# Altium PCB fmuvxX-baseT1.PcbDoc (part 3 of 5) (continued)
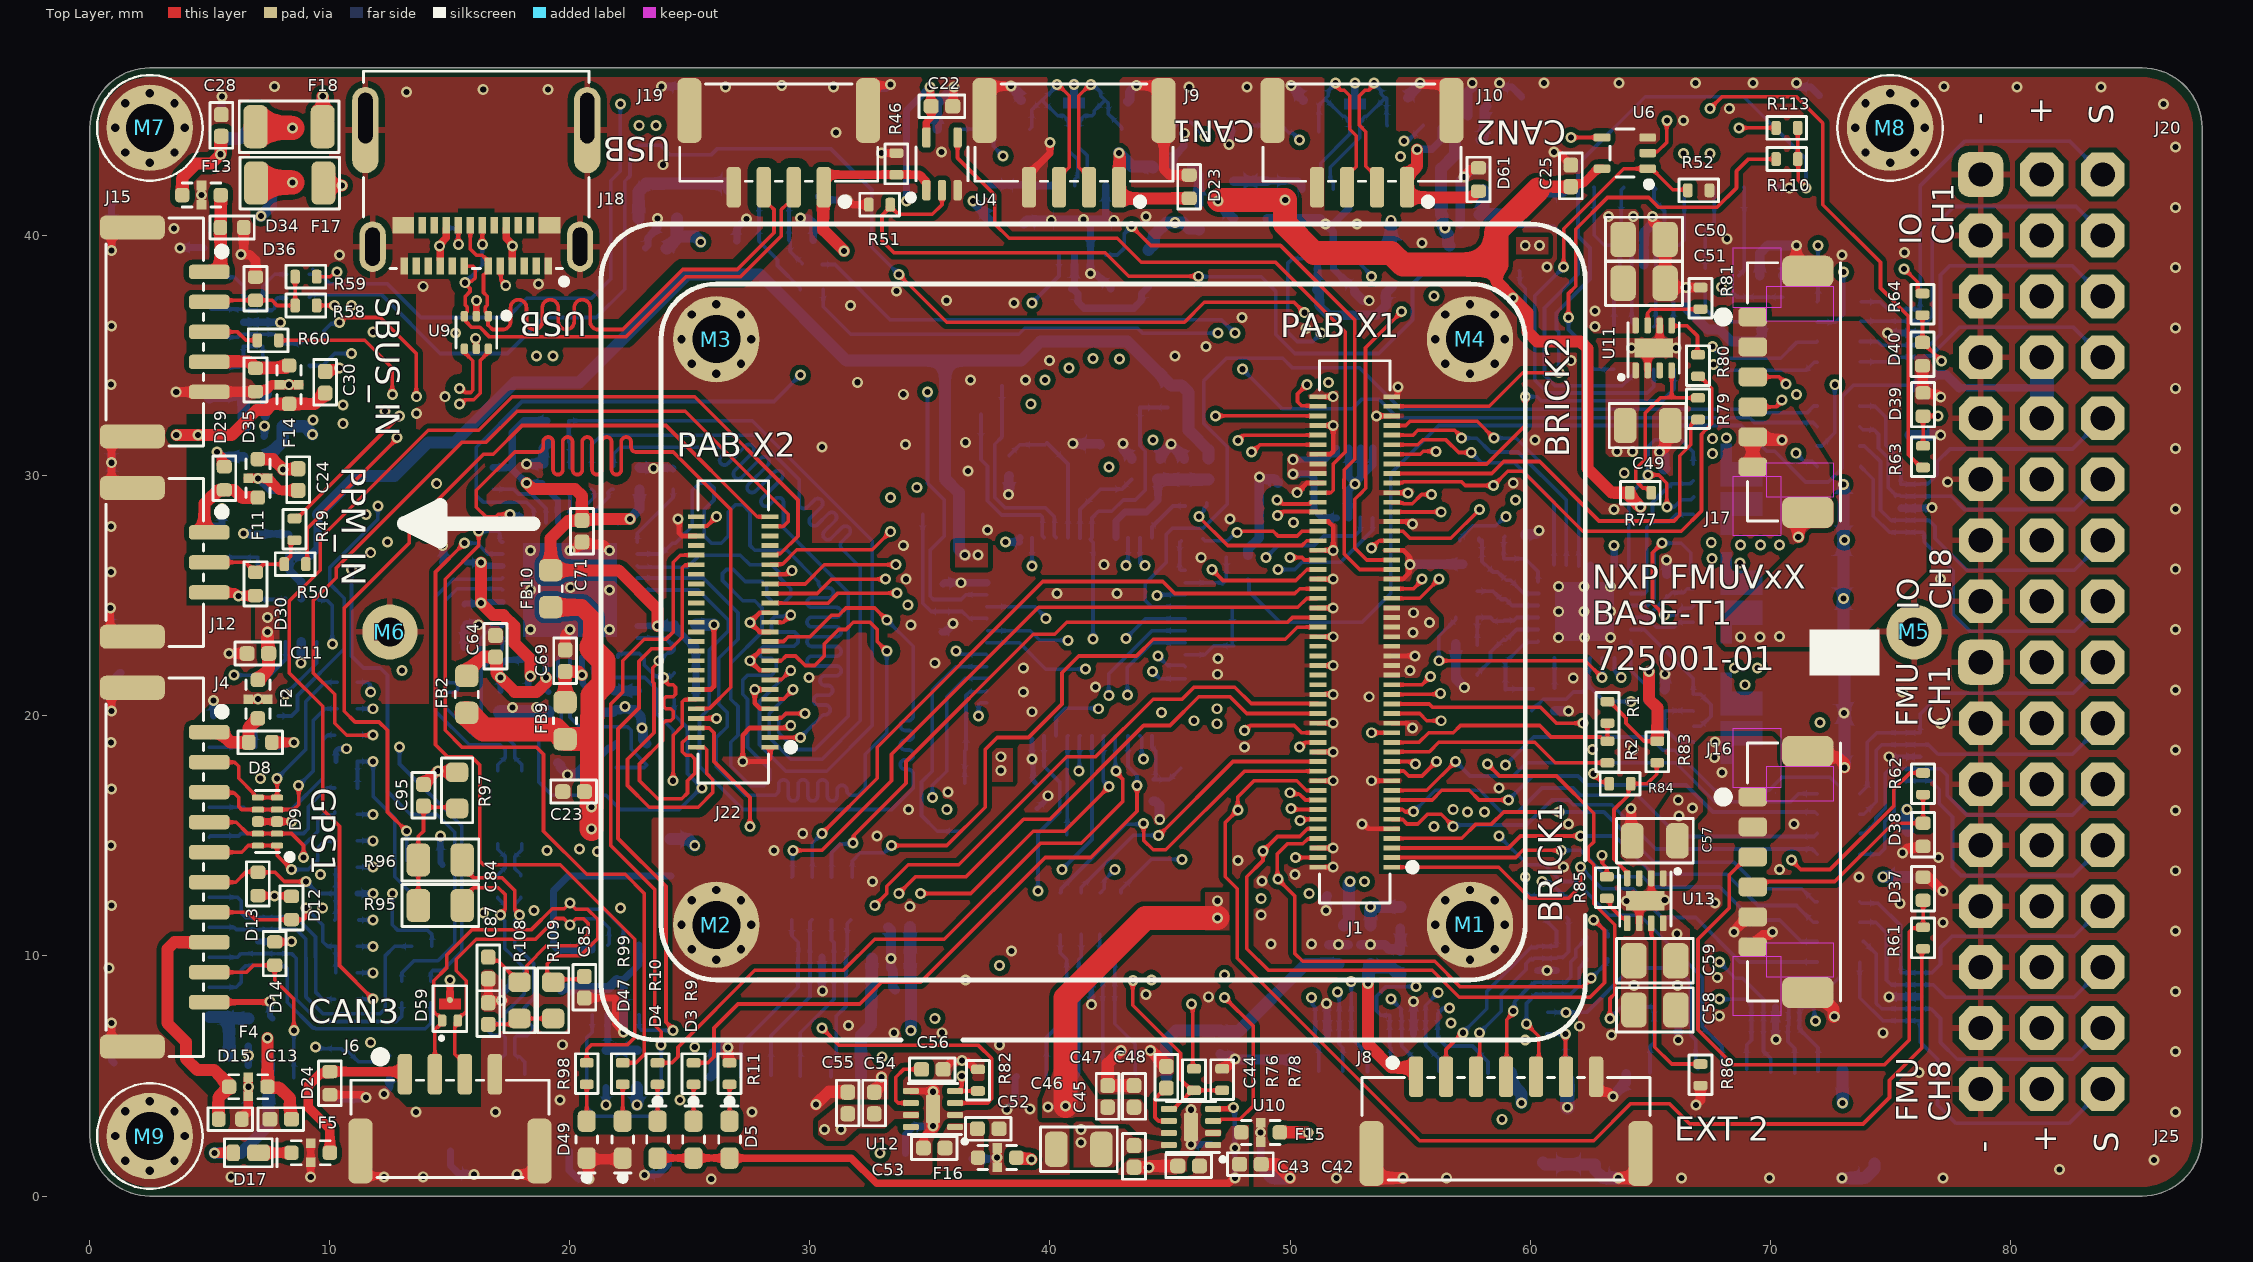
[diagram p0: Top Layer view]
## Nets (pads, with @x,y where several pads share a name; then routed paths per layer and width w, separated by ;. In a path a pad name is that pad's centre, name@x,y a point inside that pad or via, vN(x,y) a via of type N, cw(c..) or ccw(c..) an arc to the next point about the centre after c; other vN are vias at no path point) (continued)
  Bottom Layer w0.152: R21.1@11.2,11.5 v1(11.8,11.5)
FMU_SWCLK: D53.1 D53.10 J1.77 J23.5 | length 39.1
  Top Layer w0.152: J1.77@54.24,28.9 54.264,28.876 54.685,28.876 54.721,28.841 55.098,28.841 55.482,29.225 v1(55.9,29.225)
  Signal Layer 3 w0.152: v1(58.1,16) 58.1,14.3 60,12.4 61.9,12.4 63,13.5 67.3,13.5 69,11.8 69,9.3 v1(67.9,8.2)
  Signal Layer 4 w0.152: v1(55.9,29.225) 56.375,29.225 56.9,28.7 56.9,28.2 57.4,27.7 57.4,22.3 57.77,21.93 57.77,17.541 58.1,17.211 v1(58.1,16)
  Bottom Layer w0.152: v1(67.9,8.2) 69.025,8.2 69.225,8 D53.10@69.225,7.075 69.225,6.5 69.025,6.3 J23.5@69.025,5.275
FMU_SWDIO: D53.2 D53.9 J1.75 J23.4 | length 36.4
  Top Layer w0.152: J1.75@54.24,28.5 v1(56.3,28.5)
  Signal Layer 3 w0.152: v1(57.4,16) 57.4,14.4 59.899,11.901 62.201,11.901 63.2,12.9 66.2,12.9 67.9,11.2 v1(67.9,9.75)
  Signal Layer 4 w0.152: v1(56.3,28.5) 56.3,28.1 56.806,27.594 56.806,19.194 57.4,18.6 v1(57.4,16)
  Bottom Layer w0.152: v1(67.9,9.75) 67.9,9.725 68.55,9.075 68.85,9.075 69.725,8.2 D53.2@69.725,7.875 D53.9@69.725,7.05 ; D53.9@69.725,7.075 69.725,6.025 70.025,5.725 J23.4@70.025,5.15
FMU_VDD_3V3: C13.1 C22.1 C25.1 C80.1 F4.1 FB3.1 FB5.1 FB7.1 J1.84 J1.86 J23.1 R1.1 R43.1 R47.1 R77.1 R83.1 U4.5 U6.5 U16.1 U16.8 | length 210.1
  Top Layer w0.152: R1.1@63.225,20.6 63.315,20.6 64,19.915 64,19.7 64.75,18.95 R83.1@65.3,18.95
  Top Layer w0.3: U4.5@34.85,44.125 34.85,44.75 35.05,44.95 C22.1@35.05,45.4 ; v1(35,46.2) 35.025,46.175 C22.1@35.025,45.425
  Top Layer w0.35: C25.1@61.766,42.001 61.83,42.065 61.83,42.19 62.215,42.19 62.825,42.8 U6.5@63,42.8
  Top Layer w0.5: v1(7.4,6.575) F4.1@7.4,4.55 7.45,4.5 7.901,4.5 8.335,4.066 8.335,3.255 C13.1@8.415,3.175 ; 58.6,38.8 58.6,38.102 v1(59.284,37.418) 59.9,36.802 59.9,36 60.3,35.6 62.1,35.6 62.4,35.3 62.4,30.3 63.4,29.3 R77.1@64.15,29.3 64.15,29.15 v1(64.6,28.7) ; 60.325,41.925 60.45,42.05 C25.1@61.7,42.05 ; v1(64.95,21.85) 64.95,20.7 65.3,20.35 R83.1@65.3,19
  Top Layer w1: v1@47.045,41.495 v1(49.8,41.495) 49.8,40.5 51.007,39.293 54.207,39.293 54.7,38.8 58.6,38.8 58.6,40.2 60.325,41.925
  Signal Layer 3 w0.6: v1(10.686,18.634) v1@10.71,18.61 ; v1@10.7,18.6 10.7,18.1 11.5,17.3 12.3,17.3 13.9,15.7 13.9,15.656 13.905,15.651 13.905,15.149 13.9,15.144 13.9,14.6 15.6,12.9 22.4,12.9 24.1,14.6 v1(25.2,14.6)
  Signal Layer 4 w0.4: 4.2,18.2 4.205,18.195
  Signal Layer 4 w0.5: v1(64.6,28.7) 64.6,22.2 v1(64.95,21.85) 64.95,18.25 63.45,16.75 63.45,15.55 63.9,15.1 63.9,13.6 64.961,12.539 64.961,6.739 67.825,3.875 v1(73.025,3.875)
  Signal Layer 4 w0.6: 4.205,18.195 10.247,18.195 v1(10.686,18.634)
  Signal Layer 4 w1: v1(7.4,6.575) 7.4,6.6 4.2,9.8 4.2,18.2 4.2,28.6 6.201,30.601 6.201,36.308 11.594,41.7 25.858,41.7 26.858,42.7 32.135,42.7 33.385,41.45 v1(34.027,41.45) v1(36.8,41.45) 37.45,42.1 46.35,42.1 48.958,39.492 48.958,31.817 v1@50.1,30.675
  Bottom Layer w0.2: R43.1@10.25,18.1 10.25,18.55 10.334,18.634 v1(10.686,18.634) ; R47.1@58.65,38.55 58.65,38.052 v1(59.284,37.418)
  Bottom Layer w0.25: v1(50.125,30.675) 51.47,30.675 51.695,30.9 51.935,30.9 51.95,30.915 U16.1@51.95,31.155
  Bottom Layer w0.3: v1(34.027,41.45) 34.027,45.227 v1(35,46.2) ; v1(50.125,30.075) 50.824,30.075 51,29.899 51,28.6 51.35,28.25 U16.8@51.935,28.25
  Bottom Layer w0.4: v1(36.8,41.45) 37.232,41.018 37.232,40.893 FB3.1@37.475,40.65 ; v1(47,41.45) 47.011,41.439 47.011,41.369 47.365,41.015 47.365,41.01 47.645,40.73 FB7.1@47.65,40.73
  Bottom Layer w0.5: FB5.1@24.2,14.87 24.93,14.87 v1(25.2,14.6) ; v1(73.025,3.875) J23.1@73.025,5.225
GND: C1.2 C2.2 C3.2 C4.2 C5.2 C6.2 C7.2 C8.2 C9.2 C10.2 C11.2 C12.2 C13.2 C14.2 C15.2 C16.2 C17.2 C18.2 C19.2 C20.2 C21.2 C22.2 C23.2 C24.2 C25.2 C26.2 C27.2 C28.2 C29.2 C30.2 C31.2 C32.2 C33.2 C34.2 C35.2 C36.2 C37.2 C38.2 C39.2 C40.2 C41.2 C42.2 C43.2 C44.2 C45.2 C46.2 C47.2 C48.2 C49.2 C50.2 C51.2 C52.2 C53.2 C54.2 C55.2 C56.2 C57.2 C58.2 C59.2 C60.2 C61.2 C62.2 C63.2 C64.2 C65.2 C66.2 C67.2 C68.2 C69.2 C70.2 C71.2 C72.2 C73.2 C74.2 C75.2 C76.2 C77.2 C78.2 C79.2 C80.2 C81.2 C82.2 C83.2 C84.2 C85.2 C86.2 C87.2 C88.2 C89.2 C90.2 C91.2 C92.2 C95.2 D1.3 D1.8 D2.3 D2.8 D6.1 D7.3 D7.8 D8.1 D9.3 D9.8 D10.1 D11.3 D11.8 D12.1 D13.1 D14.1 D15.1 D18.1 D19.3 D19.8 D20.1 D21.3 D21.8 D22.1 D23.1 D24.1 D25.1 D26.3 D26.8 D27.3 D27.8 D28.1 D29.1 D30.1 D31.1 D32.1 D33.3 D33.8 D34.1 D35.1 D36.1 D37.1 D38.1 D39.1 D40.1 D43.3 D43.8 D44.3 D44.8 D45.3 D45.8 D46.3 D46.8 D47.C D48.3 D49.C D53.3 D53.8 D54.3 D54.8 D55.1 D56.1 D57.1 D58.3 D59.3 D61.1 D62.3 F1.2A F1.2B F2.2A F2.2B F3.2A F3.2B F4.2A F4.2B F5.2A F5.2B F6.2A F6.2B F7.2A F7.2B F8.2A F8.2B F9.2A F9.2B F10.2A F10.2B F11.2A F11.2B F12.2A F12.2B F13.2A F13.2B F14.2A F14.2B F15.2A F15.2B F16.2A F16.2B F21.2A F21.2B J1.2 J1.6 J1.9 J1.19 J1.20 J1.26 J1.31 J1.32 J1.38 J1.41 J1.43 J1.44 J1.45 J1.47 J1.50 J1.56 J1.61 J1.62 J1.67 J1.68 J1.73 J1.74 J1.79 J1.82 J1.88 J1.94 J1.95 J1.99 J1.100 J2.10 J2.M1 J2.M2 J3.6 J3.M1 J3.M2 J4.10 J4.M1 J4.M2 J5.6 J5.M1 J5.M2 J6.4 J6.M1 J6.M2 J7.6 J7.M1 J7.M2 J8.7 J8.M1 J8.M2 J9.4 J9.M1 J9.M2 J10.4 J10.M1 J10.M2 J11.11 J11.M1 J11.M2 J12.3 J12.M1 J12.M2 J13.3 J13.M1 J13.M2 J14.8 J14.M1 J14.M2 J15.5 J15.M1 J15.M2 J16.5 J16.6 J16.M1 J16.M2 J17.5 J17.6 J17.M1 J17.M2 J18.A1 J18.A12 J18.B1 J18.B12 J18.M1 J18.M2 J18.M3 J18.M4 J19.4 J19.M1 J19.M2 J20.1A J20.2A J20.3A J20.4A J20.5A J20.6A J20.7A J20.8A J21.M1 J21.M2 J22.1 J22.5 J22.8 J22.9 J22.13 J22.14 J22.17 J22.21 J22.25 J22.29 J22.37 J22.46 J23.10 J23.M1 J23.M2 J24.4 J24.M1 J24.M2 J25.1A J25.2A J25.3A J25.4A J25.5A J25.6A J25.7A J25.8A M1.1 M2.1 M3.1 M4.1 M5.1 M6.1 M7.1 M8.1 M9.1 Q1.2 Q2.S R7.2 R8.2 R11.2 R13.2 R14.2 R25.2 R26.2 R37.2 R46.2 R51.2 R52.2 R57.2 R68.2 R72.2 R73.2 R74.2 R75.2 R78.2 R81.2 R82.1 R86.2 R94.2 R97.2 R100.2 U1.8 U1.23 U1.35 U1.47 U2.2 U2.8 U2.9 U3.2 U3.8 U3.9 U4.3 U6.3 U7.2 U8.10 U8.25 U9.2 U10.2 U10.P1 U11.2 U11.6 U11.P1 U12.2 U12.5 U12.P1 U13.2 U13.6 U13.P1 U14.37 U15.2 U15.8 U15.9 U16.2 U16.3 U16.4 U16.7 U16.9 X1.2 X1.4 X2.2 X2.4 | length 350.8
  Top Layer w0.152: D24.1@10,4.215 D24.1@10.115,4.1 ; M2.1@24.507,11.1 24.7,11.293 M2.1@24.7,11.3
  Top Layer w0.2: v1(24.5,28.2) 24.549,28.151 24.549,27.617 24.666,27.5 J22.46@25.26,27.5 ; J22.8@25.26,19.9 v1(26.1,19.9) ; J22.14@25.5,21.1 25.871,21.1 26,21.229 v1(26,23.8) ; J22.9@28.3,20.3 27.936,20.3 27.7,20.536 v1(27.7,21.1) J22.13@28.3,21.1 ; J22.17@28.3,21.9 27.9,21.9 v1(27.5,22.3) 27.9,22.7 J22.21@28.3,22.7 ; J22.29@28.3,24.3 27.9,24.3 v1(27.5,23.9) 27.9,23.5 J22.25@28.34,23.5 ; J22.1@28.34,18.7 28.34,18.24 28.2,18.1 v1(27.2,18.1) 27.2,19.2 27.5,19.5 J22.5@28.34,19.5 29.03,19.5 29.13,19.6 v1(29.2,19.6) ; J22.37@28.34,25.9 29.03,25.9 29.18,26.05 v1(29.25,26.05) ; v1(50.3,29.3) 50.7,29.7 J1.82@51.16,29.7 ; J1.2@51.16,13.7 v1(51.8,13.7) ; J1.6@51.16,14.5 v1(51.8,14.5) ; J1.20@51.16,17.3 v1(51.8,17.3) ; J1.26@51.16,18.5 v1(51.8,18.5) ; J1.32@51.16,19.7 v1(51.8,19.7) ; J1.38@51.16,20.9 v1(51.8,20.9) ; J1.44@51.16,22.1 v1(51.8,22.1) ; J1.50@51.16,23.3 v1(51.8,23.3) ; J1.56@51.16,24.5 v1(51.8,24.5) ; J1.62@51.16,25.7 v1(51.8,25.7) ; J1.68@51.16,26.9 v1(51.8,26.9) 51.8,27.9 51.6,28.1 ; J1.94@51.16,32.1 v1(51.8,32.1) 51.8,31.017 51.683,30.9 J1.88@51.2,30.9 ; J1.100@51.16,33.3 v1(51.8,33.3) ; v1(53,15.5) 53.07,15.5 53.27,15.3 J1.9@54.24,15.3 ; v1(53.4,17.3) J1.19@54.24,17.3 ; v1(53.6,32.5) J1.95@54.2,32.5 ; J1.61@54.2,25.7 54.7,25.7 54.961,25.961 54.961,26.261 v1(55,26.3) 54.988,26.312 54.988,26.635 54.723,26.9 J1.67@54.24,26.9 ; J1.31@54.24,19.7 54.864,19.7 55.064,19.5 v1(55.1,19.5) ; J1.45@54.24,22.5 v1(55.2,22.5) ; J1.73@54.24,28.1 54.93,28.1 55.03,28 v1(55.1,28) ; J1.79@54.24,29.3 54.49,29.3 v1@54.9,29.3 ; J1.99@54.24,33.3 54.49,33.3 54.49,33.69 v1(54.5,33.7)
  Top Layer w0.205: J1.74@51.16,28.1 51.6,28.1
  Top Layer w0.25: J4.10@4.97,8.075 7.475,8.075 v1(7.5,8.1) ; D13.1@7,12.515 7.685,12.515 v1(7.7,12.5) D12.1@8.4,12.5 ; D9.8@7,15.6 D9.3@7.8,15.6 v1(8.4,15.6) ; D14.1@7.7,10.585 8.385,10.585 v1(8.4,10.6) ; U9.2@16.1,36.65 16.125,36.675 16.1,36.7 v1(16.1,37.3) ; U13.6@64.55,11.29 U13.6@64.55,11.375 ; U13.2@65.05,13.16 65.05,12.375 U13.P1@65.2,12.225
  Top Layer w0.3: v1(0.85,24.5) 0.85,23.45 J12.M2@1.1,23.2 ; v1(0.9,7.2) 0.9,6.5 J4.M2@1.1,6.3 ; v1(0.9,20.2) 0.9,20.833 1.167,21.1 J4.M1@1.2,21.1 ; J12.M1@0.9,29.5 v1(0.9,30.55) 0.9,31.6 J15.M2@1,31.7 ; v1(0.9,39.4) 0.9,40.3 J15.M1@1,40.4 ; v1(9.2,0.8) F5.2B@9.2,1.4 F5.2A@9.2,2.2 ; D24.1@10,4.215 11.385,4.215 v1(11.5,4.1) ; J6.M1@11.15,1.75 11.15,1.297 11.617,0.83 12.22,0.83 v1(12.25,0.8) ; D59.3@15,8.17 v1(15,9) ; C84.2@16.6,9.04 C87.2@16.6,8.05 16.7,8.15 v1@17.3,8.15 ; J6.M2@18.65,1.317 18.684,1.284 J6.M2@18.743,1.225 ; C85.2@20.6,8.25 21.899,8.25 21.899,7.169 v1(22.231,6.837) ; v1(31.55,41.5) 31.593,41.5 31.793,41.3 R51.2@32.4,41.3 ; J19.M1@32.4,46.25 32.425,46.275 33.325,46.275 v1(33.35,46.3) ; v1(32.975,43.45) R46.2@33.6,43.45 ; U12.5@34.205,4.375 35.056,4.375 35.086,4.345 v1(35.129,4.345) ; C53.2@34.75,2 34.75,2.498 35.129,2.877 v1(35.129,2.92) ; C56.2@35.55,5.275 35.56,5.275 35.899,5.615 36.265,5.615 v1@36.3,5.65 ; C22.2@35.95,45.4 35.975,45.425 35.975,46.175 v1(36,46.2) ; v1(36.329,5.645) 36.359,5.615 36.57,5.615 36.885,5.3 R82.1@37,5.3 ; J9.4@39.1,42.55 39.997,43.447 v1(39.997,43.895) ; v1(61,43.5) 61.03,43.47 61.19,43.47 61.7,42.96 C25.2@61.7,42.95 ; U13.6@64.55,11.375 64.55,12.05 U13.P1@64.8,12.3 ; U11.P1@64.75,35.35 64.9,35.2 U11.2@64.9,34.4 ; U11.6@65.4,36.27 65.4,35.475 U11.P1@65.55,35.325
  Top Layer w0.4: v1(3.598,33.501) J15.5@4.97,33.5 ; J12.3@4.97,25.15 5.006,25.114 6.07,25.114 6.185,25 v1(6.2,25) D30.1@6.885,25 ; J15.5@5,33.5 J15.5@4.97,33.5 ; v1(5.3,31) 5.3,30.985 5.485,30.8 5.485,30.465 5.55,30.4 D29.1@5.6,30.4 ; v1(5.8,22.6) C11.2@6.55,22.6 C11.2@6.6,22.6 ; D15.1@6.3,3.1 6.3,3.235 6.6,3.535 F4.2A@6.6,4.1 ; D34.1@6.4,40.4 6.41,40.39 D34.1@6.41,40.35 6.41,39.35 6.3,39.24 v1(6.3,39.225) 6.311,39.214 6.666,39.214 6.9,38.98 D36.1@6.9,38.3 ; F4.2B@6.6,4.9 6.6,4.553 v1(6.603,4.55) ; F2.2B@6.6,20.7 v1(7,20.7) F2.2A@7.4,20.7 ; F11.2B@6.6,29.9 v1@7,29.9 ; v1@6.601,4.549 6.601,4.101 F4.2A@6.6,4.1 ; D35.1@6.9,33.5 6.892,33.507 4.977,33.507 J15.5@4.97,33.5 ; D35.1@6.9,33.515 6.98,33.595 7.371,33.595 7.576,33.8 F14.2A@7.9,33.8 v1(8.3,33.8) F14.2B@8.7,33.8 ; v1(7.003,29.9) F11.2A@7.4,29.9 7.9,29.4 C24.2@8.7,29.4 ; D8.1@7.585,18.9 v1(8.5,18.9) ; C30.2@9.84,34.4 9.905,34.465 10.35,34.465 10.385,34.5 v1(10.4,34.5) ; C95.2@13.9,17.16 14.005,17.265 14.015,17.265 14.439,17.689 14.489,17.689 v1(14.5,17.7) 14.511,17.689 15.266,17.689 R97.2@15.3,17.655 ; v1(17.8,0.9) 17.811,0.911 18.429,0.911 18.743,1.225 18.8,1.282 J6.M2@18.8,1.4 ; C69.2@19.8,22.8 19.8,23.385 20,23.585 v1(20,23.6) ; v1(20,26.9) 20.011,26.911 20.161,26.911 20.385,27.135 20.395,27.135 C71.2@20.5,27.24 ; C71.2@20.5,27.25 C71.2@20.5,27.24 ; D49.C@20.7,1.53 D49.C@20.77,1.53 ; D49.C@20.7,1.6 D49.C@20.77,1.53 ; v1(20.8,0.7) 20.789,0.711 20.789,1.511 D49.C@20.77,1.53 ; v1(21.65,25.25) 21.658,25.258 21.658,25.269 v1@21.65,25.276 ; v1(21.65,26.9) 21.635,26.9 21.4,27.135 20.605,27.135 C71.2@20.5,27.24 ; D47.C@22.2,1.53 D47.C@22.215,1.515 ; D47.C@22.23,1.53 D47.C@22.215,1.515 ; D47.C@22.289,1.441 D47.C@22.215,1.515 ; v1(26.579,6.195) 26.59,6.184 26.59,5.55 R11.2@26.65,5.55 ; J9.M2@37.35,46.25 37.361,46.239 38.364,46.239 v1(38.375,46.25) ; F16.2A@37.8,1.2 v1(37.8,1.6) F16.2B@37.8,2 ; v1(43.6,46.275) 43.611,46.264 44.514,46.264 J9.M1@44.564,46.214 ; J9.M1@44.7,45.05 44.75,45 44.75,42.769 44.984,42.535 D23.1@45.8,42.535 ; J9.M1@44.725,45.225 44.725,46.053 J9.M1@44.564,46.214 ; J9.M1@44.8,46.1 44.625,46.275 J9.M1@44.564,46.214 ; R78.2@47.175,5.3 47.265,5.3 47.654,5.689 47.689,5.689 v1(47.7,5.7) ; v1@55.425,46.325 55.436,46.314 56.636,46.314 J10.M1@56.75,46.2 ; v1@57.236,42.479 57.258,42.479 57.264,42.484 57.264,42.503 57.516,42.755 57.77,42.755 D61.1@57.85,42.835 ; J8.7@62.7,4.6 62.7,4.47 62.85,4.32 63.263,4.32 63.438,4.145 v1(63.454,4.145) ; C57.2@64.2,14.8 64.215,14.815 64.215,16.134 v1(64.204,16.145) ; v1(65.1,40.8) 65.111,40.789 65.111,40.596 65.7,40.007 C50.2@65.7,39.9 ; C51.2@65.6,37.9 65.637,37.863 66.49,37.863 v1(66.501,37.852) 66.503,37.85 R81.2@67.1,37.85 ; C51.2@65.6,38.2 65.625,38.225 C50.2@65.625,39.85 ; v1@66.9,3.8 66.9,3.802 67.1,4.002 R86.2@67.1,4.6 ; v1(68.5,11) 68.511,11.011 68.511,11.058 69.053,11.6 J16.5@69.3,11.6 ; J16.6@69.278,10.375 69.3,10.375 69.5,10.575 69.5,10.67 69.705,10.875 69.96,10.875 70.085,11 v1(70.1,11) ; v1(71.1,39.6) 71.1,38.7 J17.M1@71.3,38.5 ; v1(75.525,14.3) 75.54,14.3 75.725,14.485 76.285,14.485 D38.1@76.4,14.6 ; D40.1@76.35,34.59 76.362,34.578 76.362,33.537 D39.1@76.4,33.5 ; D37.1@76.375,13.285 76.455,13.205 76.68,13.205 77.185,12.7 v1(77.2,12.7) ; D39.1@76.375,33.46 76.455,33.38 77.009,33.38 77.089,33.3 v1@77.1,33.3 ; F4.2A@6.6,4.1 F4.2A@6.6,4.15 F4.2A@6.6,4.1 ; D49.C@20.77,1.53 22.17,1.53 22.2,1.5 D47.C@22.215,1.515
  Top Layer w0.5: v1(30.254,3.82) 30.784,4.35 C55.2@31.55,4.35 ; C54.2@32.65,4.35 32.987,4.687 v1(32.987,4.949) ; v1(42.954,6.07) 42.4,5.516 C47.2@42.4,4.6 C48.2@43.5,4.6 ; C45.2@43.5,1.2 v1@44.1,1.2 ; v1(44.129,1.195) 44.184,1.25 C43.2@45.3,1.25 ; v1(44.179,6.07) 44.19,6.07 44.81,5.45 C44.2@44.85,5.45 ; C42.2@48.8,1.325 49.429,1.325 v1(50.004,0.75) ; J8.M1@53.4,1.05 53.4,1 53.65,0.75 v1(54.7,0.75) ; v1(63.675,0.75) 64.35,0.75 64.55,0.95 J8.M2@64.55,1.1 ; v1(65.4,31) 65.62,31.22 65.62,31.77 C49.2@65.9,32.05 ; J17.6@69.2,30.5 69.252,30.5 69.278,30.525 J17.5@69.278,31.625 ; J17.5@69.3,31.55 69.35,31.5 v1(70.5,31.5) ; v1(71.175,27.45) 71.175,28.175 J17.M2@71.55,28.55 ; J16.M2@71.573,8.475 71.957,8.475 72.65,7.782 v1@72.65,7.45 ; J16.M1@71.573,18.525 71.823,18.275 72.826,18.275 73.1,18.001 v1@73.1,17.85
  Top Layer w0.6: v1@35.125,2.923 U12.P1@35.125,3.625 v1@35.125,4.341
  Bottom Layer w0.152: F10.2B@6.6,5.4 F10.2B@6.6,5.45 ; v1(41.4,40.675) U2.9@41.4,40.7
  Bottom Layer w0.2: U1.35@39.25,19.05 39.248,19.048 39.248,18.208 v1(39.247,18.206) 39.296,18.157 39.296,17.304 C6.2@39.4,17.2 ; C4.2@39.45,16.15 39.483,16.15 39.876,16.543 39.876,16.626 v1(39.925,16.675) ; U2.9@42.3,40.7 U2.9@42.325,40.725
  Bottom Layer w0.205: v1@74.875,18.3 D44.8@75.45,18.3 D44.3@76.25,18.3
  Bottom Layer w0.25: D26.8@7,10.6 D26.3@7.8,10.6 v1(8.4,10.6) ; D27.8@7,15.6 D27.3@7.8,15.6 v1(8.4,15.6) ; v1(7.5,8.1) 7.5,7.5 D25.1@7.6,7.4 ; D28.1@7.885,18.7 7.885,18.707 8.039,18.86 8.46,18.86 v1(8.5,18.9) ; R25.2@11.15,12.6 v1(11.8,12.6) ; v1(14.6,15) 14.6,13.9 Q2.S@14.7,13.8 ; D7.3@41.7,9.325 D7.8@41.7,8.525 41.725,8.5 v1@41.725,8.025
  Bottom Layer w0.3: v1(0.85,24.5) 0.85,23.6 J13.M1@0.95,23.5 ; v1(0.9,7.2) 0.9,5.65 J11.M1@1,5.55 ; v1(0.9,20.2) 0.9,21.458 1.242,21.8 J11.M2@1.3,21.8 ; v1(0.9,39.4) 0.9,41.3 J7.M2@1,41.4 ; J13.M2@1.65,29.65 1.292,29.65 0.9,30.042 v1(0.9,30.55) 0.9,31.083 1.242,31.425 J7.M1@1.775,31.425 ; v1(3.75,39.5) 3.762,39.512 4.738,39.512 J7.6@4.75,39.5 ; J13.3@5.1,27.9 5.4,27.9 5.5,28 v1(5.5,28.65) ; J11.11@5.15,20 v1(5.15,20.65) ; C61.2@5.5,44.95 5.487,44.962 5.487,45.788 v1(5.5,45.8) ; v1(6.4,27.6) 6.415,27.585 D32.1@7,27.585 8.265,27.585 C26.2@8.3,27.55 ; D19.8@6.4,36.4 D19.3@7.2,36.4 v1(7.95,36.4) ; C21.2@6.6,3.6 6.6,4.548 v1(6.603,4.55) ; F10.2B@6.6,5.45 F10.2A@6.6,6.25 ; v1(7.003,29.9) 7.503,29.4 8.65,29.4 C60.2@8.7,29.35 ; F6.2B@7.25,31.65 7.276,31.676 7.276,32.074 v1(7.278,32.075) ; v1(12.25,4.25) 12.25,4.276 12.478,4.504 12.478,4.919 R26.2@12.509,4.95 ; C68.2@14.7,26.4 14.725,26.425 14.725,27.075 v1(14.7,27.1) ; J21.M2@15.025,1.87 15.025,1.272 15.367,0.93 v1@15.98,0.93 ; R94.2@15.6,22.85 15.6,23.7 C67.2@15.7,23.8 ; v1(17.15,8.15) 17.18,8.18 17.18,8.435 17.55,8.805 D48.3@17.55,9 ; J21.M1@19.975,1.87 19.975,1.074 20.317,0.732 20.726,0.732 20.757,0.7 v1(20.8,0.7) ; X2.4@20.6,17.85 20.785,18.035 20.978,18.035 21.609,18.665 21.74,18.665 X2.2@21.925,18.85 ; v1(21.5,3.8) C19.2@21.5,4.515 ; U3.9@21.9,9 21.95,9 22.225,9 22.875,9.65 U3.8@22.875,10.445 ; v1(23.1,0.875) 23.126,0.901 23.683,0.901 24.1,1.318 J5.M2@24.1,1.75 ; C79.2@23.15,39.5 23.25,39.6 23.25,39.919 F21.2B@23.657,40.327 ; v1(23.484,30.318) 23.5,30.334 24.266,30.334 R100.2@24.3,30.3 ; F21.2B@23.65,40.35 23.655,40.355 23.655,40.723 v1(23.653,40.725) ; v1(23.808,46.224) 24.675,46.224 J24.M1@24.75,46.15 ; D56.1@26.95,39.8 26.964,39.814 26.964,40.314 v1(27.35,40.7) ; v1(29.6,40.75) 29.602,40.748 29.958,40.748 30.133,40.572 D57.1@30.133,39.806 ; J24.4@30.35,41.65 30.5,41.5 v1(31.55,41.5) ; D11.3@30.5,9.95 D11.8@30.5,9.15 30.5,8.575 v1(30.525,8.55) ; J24.M2@32.3,46.15 33.157,46.15 33.307,46.3 v1(33.35,46.3) ; J5.M1@33.975,1.775 33.975,2.562 34.317,2.904 35.071,2.904 v1@35.116,2.95 ; R14.2@35.5,23.5 35.64,23.5 35.968,23.828 v1(35.968,23.857) ; C7.2@35.55,25.5 35.6,25.55 U1.47@37.37,25.55 ; J3.M2@36.75,1.55 v1@37.728,1.55 ; v1(38.2,3.6) 38.538,3.938 38.538,4.913 J3.6@38.6,4.975 ; v1@39.99,43.89 v1@40,43.9 ; D58.3@41,45.65 D58.3@41,45.7 41,46.392 v1@41.008,46.4 ; U2.9@41.45,40.65 41.688,40.412 v1(41.688,38.435) 41.718,38.405 41.93,38.405 42.245,38.09 42.308,38.09 42.535,37.863 C17.2@42.535,37.8 ; U2.9@42.325,40.725 U2.8@42.325,42.095 ; F8.2B@45.1,42.45 F8.2A@45.1,43.25 45.57,43.72 45.57,44.27 v1@45.6,44.3 ; v1(45.879,2.145) 46.695,2.145 J3.M1@46.7,2.15 ; v1(48.778,2.65) 48.778,1.372 J2.M2@48.85,1.3 ; U15.9@51.5,40.5 51.495,40.495 v1(51.475,40.495) ; v1(51.525,8.025) 51.537,8.013 51.537,7.513 D2.3@51.55,7.5 ; D2.8@51.55,6.7 D2.3@51.55,7.475 ; U15.2@51.8,39.05 51.81,39.04 51.81,38.625 52.395,38.04 52.458,38.04 52.685,37.813 C89.2@52.685,37.75 ; U15.2@51.8,39.1 51.8,40.17 v1(51.475,40.495) ; U16.7@52.45,28.245 52.45,29.425 U16.9@52.725,29.7 ; U16.2@52.45,31.155 52.45,29.95 U16.9@52.7,29.7 ; U15.8@52.45,41.94 52.45,41.145 51.8,40.495 v1(51.475,40.495) ; U16.9@52.675,29.675 U16.9@52.7,29.7 ; D62.3@52.7,45.6 D62.3@52.7,45.67 v1(52.7,46.375) ; U16.3@52.95,31.155 U16.9@52.95,29.95 ; U16.4@53.45,31.155 53.45,30.45 U16.9@52.95,29.95 ; D1.8@55.15,6.725 D1.3@55.15,7.525 v1@55.15,8.125 ; v1@58.72,46.223 58.741,46.201 59.249,46.201 J14.M1@59.65,45.8 ; D21.8@60.305,9.4 v1(60.7,9.4) D21.3@61.105,9.4 ; U8.25@62.3,24.35 62.515,24.565 U8.10@62.515,26.285 ; v1(66.175,6.5) D54.8@66.175,7.075 ; D54.3@66.175,7.875 66.175,7.1 D54.8@66.2,7.075 ; J14.8@70.15,42.039 70.189,42 v1(70.8,42) ; D53.3@70.225,7.875 D53.8@70.225,7.075 70.225,6.525 v1@70.25,6.5 ; v1@71.1,46.225 71.122,46.203 71.697,46.203 J14.M2@72.05,45.85 ; v1@74.875,8.325 74.9,8.3 v1(74.95,8.3) D43.8@75.45,8.3 ; v1(74.9,35.95) D46.3@76.25,35.95 ; D43.8@75.475,8.3 D43.3@76.25,8.3 ; D45.8@75.475,28.675 D45.8@75.45,28.65 D45.3@76.25,28.65 76.259,28.659 76.682,28.659 76.699,28.675 v1(76.75,28.675) ; U16.9@52.7,29.7 U16.9@52.95,29.95
  Bottom Layer w0.4: v1(5.3,31) 5.315,31 5.515,30.8 C15.2@6.4,30.8 ; F6.2A@7.3,32.5 7.3,33.085 7.305,33.09 7.305,33.32 D18.1@7.385,33.4 ; v1(8.8,22.2) U7.2@8.8,23.09 ; Q1.2@10.4,4.1 v1(11.5,4.1) ; C67.2@15.7,23.8 v1(16.2,23.8) ; v1(18.2,30.5) C73.2@18.9,30.5 18.9,31.16 19.05,31.31 R37.2@19.05,31.4 ; C78.2@19.5,18.05 19.605,17.945 19.605,17.86 19.9,17.565 v1(19.9,17.55) 19.911,17.561 20.261,17.561 20.55,17.85 X2.4@20.575,17.85 ; C18.2@19.6,8.65 C18.2@19.666,8.584 ; C18.2@19.6,8.665 21.615,8.665 U3.9@21.925,8.975 ; C70.2@20.8,20.15 C77.2@21.8,20.15 21.8,20.16 21.905,20.265 22.104,20.265 22.139,20.3 22.461,20.3 22.496,20.265 22.695,20.265 22.8,20.16 C76.2@22.8,20.15 ; U3.9@21.95,9 U3.9@21.925,8.975 ; v1@22.225,6.843 22.228,6.846 22.228,7.552 U3.2@22.225,7.555 22.225,8.675 U3.9@21.925,8.975 ; C76.2@22.79,20.15 22.955,19.985 22.955,19.895 22.97,19.88 22.97,19.53 v1(23,19.5) 23,19.457 23.045,19.412 23.045,19.005 C82.2@23.2,18.85 ; C74.2@22.9,30.35 22.921,30.329 23.471,30.329 v1@23.5,30.3 ; J5.6@25.875,4.975 25.975,5.075 25.975,5.958 26.209,6.192 26.576,6.192 v1(26.579,6.195) ; C12.2@33.25,11.2 33.27,11.2 33.375,11.095 F3.2A@33.375,10.3 ; F3.2B@33.365,9.514 33.367,9.516 33.367,9.89 v1(33.378,9.9) F3.2A@33.378,10.297 ; F3.2B@33.375,9.5 33.455,9.42 33.455,8.695 D10.1@33.55,8.6 ; C86.2@35.3,44.45 35.3,45.5 v1(36,46.2) ; v1(38.279,29.22) 38.289,29.23 38.289,29.989 C9.2@38.3,30 ; v1(38.375,46.25) 38.685,45.94 38.685,45.755 38.79,45.65 C20.2@38.8,45.65 ; C14.2@38.9,40.515 39.029,40.644 40.042,40.644 40.053,40.655 41.295,40.655 41.3,40.65 U2.9@41.35,40.65 U2.9@41.4,40.65 ; v1(40.95,31.35) 40.961,31.339 42.061,31.339 X1.4@42.1,31.3 ; U2.9@41.4,40.7 41.45,40.65 v1(42.658,40.65) ; v1(43.05,31.35) 43.061,31.339 43.061,31.099 43.4,30.76 C8.2@43.4,30.7 ; C83.2@43.25,45.6 43.315,45.665 43.315,45.99 v1(43.6,46.275) ; R13.2@44.3,16.45 44.39,16.45 44.562,16.278 44.562,15.705 v1(44.573,15.694) ; C2.2@44.6,30.7 44.6,30.86 v1@45.05,31.31 ; v1(45.05,31.325) v1@45.05,31.31 ; C1.2@45.6,30.7 45.6,30.76 v1@45.05,31.31 ; D6.1@47.1,5.915 47.18,5.835 47.55,5.835 47.685,5.7 v1(47.7,5.7) 47.711,5.689 50.1,5.689 50.2,5.589 J2.10@50.2,5.5 ; v1@47.45,43.815 47.45,44.4 C92.2@47.5,44.45 ; R7.2@48.25,26.69 48.25,26.95 48.725,27.425 v1@48.725,29.934 ; v1(48.725,29.95) 48.74,29.95 48.8,29.89 49.345,29.89 49.5,29.735 C80.2@49.5,29.7 ; C88.2@49.05,40.715 51.185,40.715 U15.9@51.3,40.6 ; v1@50.061,46.264 50.385,45.94 50.385,45.815 C90.2@50.55,45.65 ; U15.9@51.255,40.715 v1(51.475,40.495) ; v1(51.5,11.9) 51.5,11.915 51.514,11.93 51.514,12.464 C10.2@51.55,12.5 ; F1.2A@51.625,10.475 52.422,10.475 F1.2B@52.427,10.47 ; C89.2@52.7,37.7 52.7,37.65 53.039,37.311 53.289,37.311 v1(53.3,37.3) ; F7.2A@52.95,10.475 53.935,10.475 54.12,10.29 54.51,10.29 D20.1@54.6,10.2 ; D20.1@54.6,10.3 C16.2@54.6,11.15 ; C91.2@54.9,45.75 54.91,45.75 55.015,45.855 55.015,45.915 v1@55.425,46.325 ; v1(55,26.3) 55.015,26.3 55.04,26.325 C41.2@57.2,26.325 ; C40.2@56.9,23 56.9,21.539 v1(57.261,21.178) ; F12.2A@57.1,40.5 57.1,42.289 57.25,42.439 57.25,42.455 57.6,42.805 57.97,42.805 D31.1@58.05,42.885 ; F9.2B@57.4,45 57.4,45.996 57.581,46.177 v1@57.581,46.181 ; R74.2@59.8,27.5 59.8,27.59 60.29,27.59 v1@60.4,27.7 ; R68.2@61.025,20.225 61.56,20.225 61.585,20.2 v1(61.6,20.2) ; v1(63.454,4.145) 63.465,4.156 63.465,4.187 64,4.723 J23.10@64,5.1 ; D33.3@64.735,38.809 D33.8@64.735,39.609 64.76,39.634 64.76,39.754 64.76,40.163 65.089,40.492 65.089,40.789 v1(65.1,40.8) ; C34.2@65.6,21.1 65.639,21.139 65.639,21.734 v1(65.629,21.745) ; v1(65.682,26.5) 65.693,26.489 65.693,25.907 C36.2@65.7,25.9 ; v1(66.501,37.852) 66.501,36.999 67.4,36.1 67.9,36.1 68.4,35.6 69.43,35.6 69.664,35.834 69.664,36.364 C81.2@69.7,36.4 ; R57.2@69.575,38.35 69.575,39.275 69.9,39.6 v1(71.1,39.6) 71.1,38.925 70.64,38.465 70.63,38.465 70.525,38.36 C29.2@70.525,38.35 ; C62.2@75.8,31.7 75.806,31.706 77.098,31.706 v1(77.109,31.695)
  Bottom Layer w0.5: C72.2@25.25,23.8 v1(26,23.8) ; J2.M2@48.95,1.05 48.95,1.046 49.246,0.75 v1(50.004,0.75) ; J2.M1@60.55,1.4 60.628,1.322 J23.M2@62.7,1.322 ; J23.M2@62.7,1.25 62.7,1.096 63.046,0.75 v1(63.675,0.75) ; v1(65.4,31) 65.553,30.847 65.553,30.347 C38.2@65.6,30.3 ; v1(73,0.75) 73.954,0.75 74.35,1.146 J23.M1@74.35,1.35 ; v1(73.05,29.65) C37.2@73.05,28.615 ; C37.2@73.065,28.6 C37.2@73.05,28.615 ; v1@73.1,17.95 v1(73.1,22.45) 73.05,22.5 C37.2@73.05,28.615 ; v1(75.704,16.1) 75.704,15.246 C63.2@75.75,15.2
  Bottom Layer w0.6: C66.2@17.1,20.15 C75.2@18.1,20.15 C65.2@19.05,20.15 ; D22.1@61.55,4.84 61.55,3.71 v1(61.562,3.698)
  other v1: 25.887,0.701 51.929,0.75 56.529,0.75 66.304,0.75 69.979,0.75 77.2,0.75 5.887,0.801 13.887,0.801 16,0.9 82.052,1.107 86,1.5 13.587,3.501 16.9,3.5 27.587,3.501 86.887,3.501 45.879,3.595 39.175,3.625 66.909,3.795 19.587,4.001 24.587,4.001 76.2,5.15 6.603,5.85 86.887,6.014 25.2,6.2 19.687,6.301 37.9,6.3 11.7,6.4 59.8,6.5 70.25,6.525 63.4,6.7 33.5,6.8 35.5,6.8 74.7,6.8 62.062,7.072 31.6,7.1 56.7,7.2 72.675,7.475 67.9,7.5 41.729,7.97 55.15,8.1 46.6,8.3 44,8.4 86.887,8.526 64.325,8.775 36.487,9.001 67.8,9.1 0.8,9.5 38.4,10.2 52.028,10.475 53.353,10.475 49.2,10.5 50.9,10.5 86.887,11.039 77.209,11.395 48.8,11.7 16.4,11.8 18.5,11.9 9.7,12 22.1,12 34.159,12.054 0.9,12.1 67.7,12.2 75.409,12.195 64.011,12.293 65.611,12.325 32.6,13.1 48.835,13.119 73.709,13.295 9.6,13.4 50.2,13.4 86.887,13.551 70.4,13.6 61.4,13.7 47.838,13.977 77.009,14.095 19.05,14.4 28.5,14.4 20.4,14.45 0.887,14.601 32.8,15 29.7,15.1 61.6,15.5 71,15.5 86.887,16.064 34.1,16.1 56.8,16.1 35.753,16.823 0.9,16.95 58.7,17 7.1,17.4 73.102,17.843 74.95,18.3 86.887,18.576 62.6,18.6 64.3,18.6 48.1,18.7 0.887,18.901 77.109,19.695 73.08,20.12 44.65,20.15 39.25,20.175 17.6,20.35 18.6,20.35 22.3,20.4 53.3,20.8 38.887,21.001 75.509,20.995 86.887,21.089 41.9,21.2 61.8,21.575 29.964,21.602 46.983,21.737 55,21.9 38.887,22.001 35.2,22.2 47,22.4 72.279,22.445 61.194,23.275 62.275,23.275 63.35,23.275 18.35,23.6 21.65,23.6 86.887,23.601 34.201,23.797 61.194,24.35 62.249,24.349 63.35,24.35 73.054,24.895 40.3,25.1 42.8,25.1 18.35,25.25 20.027,25.352 61.194,25.4 62.25,25.4 63.35,25.4 36.3,25.55 34.001,25.697 77.1,25.7 0.887,26.001 86.887,26.114 42.25,26.3 46.3,26.6 11.7,26.8 18.35,26.9 33.887,27.101 73.1,27.325 60.38,27.733 37.4,27.75 0.887,27.901 47.5,28.2 11.5,28.4 63.5,28.6 86.887,28.626 54.909,29.295 52.704,29.67 59.3,29.7 77.4,29.749 63.925,30.125 36.587,30.201 86.887,31.139 30.5,31.2 33.987,31.301 36.487,31.401 60.209,31.495 13.6,32.6 12.3,32.7 14.8,33.3 77.109,33.295 33.887,33.401 71.1,33.4 86.887,33.651 0.887,33.801 31.987,33.901 36.687,34.001 38.987,34.001 39.987,34.801 61.7,34.8 45.2,35 64.225,35.325 66.075,35.325 46.5,35.4 11.8,36 50.669,36.151 86.887,36.164 0.9,36.25 48,36.6 10.9,37.1 31.687,37.101 38.5,37.2 35.687,37.301 33.6,37.7 13.887,37.901 18.687,38.001 86.887,38.676 60.7,38.7 10.4,39.2 73,39.2 75.6,39.3 55.5,39.7 68.207,39.88 3.5,40.3 52.792,40.504 40.053,40.65 44,40.8 86.887,41.189 4.653,41.7 57.253,42.458 23.88,42.964 54.6,43.3 35.487,43.501 86.887,43.701 47.45,43.8 45.6,44.275 31.087,44.301 66.4,44.8 68.3,45.3 86.387,45.501 13.187,46.001 16.387,46.101 19.087,46.101 26.487,46.201 30.987,46.201 45.8,46.202 48.2,46.202 80.287,46.201 83.787,46.201 7.7,46.225 77.25,46.225 28.825,46.275 50.05,46.275 41,46.3 55.425,46.375 57.592,46.375 58.72,46.375 60.575,46.375 63.7,46.375 66.9,46.375 69.287,46.375 71.1,46.375
  other v2: 2.5,1.05 1.475,1.475 3.525,1.475 1.05,2.5 3.95,2.5 1.475,3.525 3.525,3.525 2.5,3.95 26.1,9.85 57.5,9.85 25.075,10.275 27.125,10.275 56.475,10.275 58.525,10.275 24.65,11.3 27.55,11.3 56.05,11.3 58.95,11.3 25.075,12.325 27.125,12.325 56.475,12.325 58.525,12.325 26.1,12.75 57.5,12.75 26.1,34.25 57.5,34.25 25.075,34.675 27.125,34.675 56.475,34.675 58.525,34.675 24.65,35.7 27.55,35.7 56.05,35.7 58.95,35.7 25.075,36.725 27.125,36.725 56.475,36.725 58.525,36.725 26.1,37.15 57.5,37.15 2.5,43.05 75,43.05 1.475,43.475 3.525,43.475 73.975,43.475 76.025,43.475 1.05,44.5 3.95,44.5 73.55,44.5 76.45,44.5 1.475,45.525 3.525,45.525 73.975,45.525 76.025,45.525 2.5,45.95 75,45.95
GPS1_5V_FLT: D8.2 F2.3 J4.1 | length 3
  Top Layer w0.5: J4.1@4.97,19.325 5.52,19.325 5.57,19.275 5.57,19.193 5.863,18.9 D8.2@6.615,18.9 6.6,18.915 6.6,19.5 F2.3@7,19.9